# Altium PCB FIRE ARLARM_DEV.PcbDoc (part 2 of 2)
Units mm, origin at the board's own origin, x right, y up, seen from the top; angles counter-clockwise.
Board outline 100 x 100 mm, 2 copper layers (Top Layer, Bottom Layer); 111 components, 71 nets, 342 pads, 401 vias.
Unrouted connection lines stored in the file: 79.
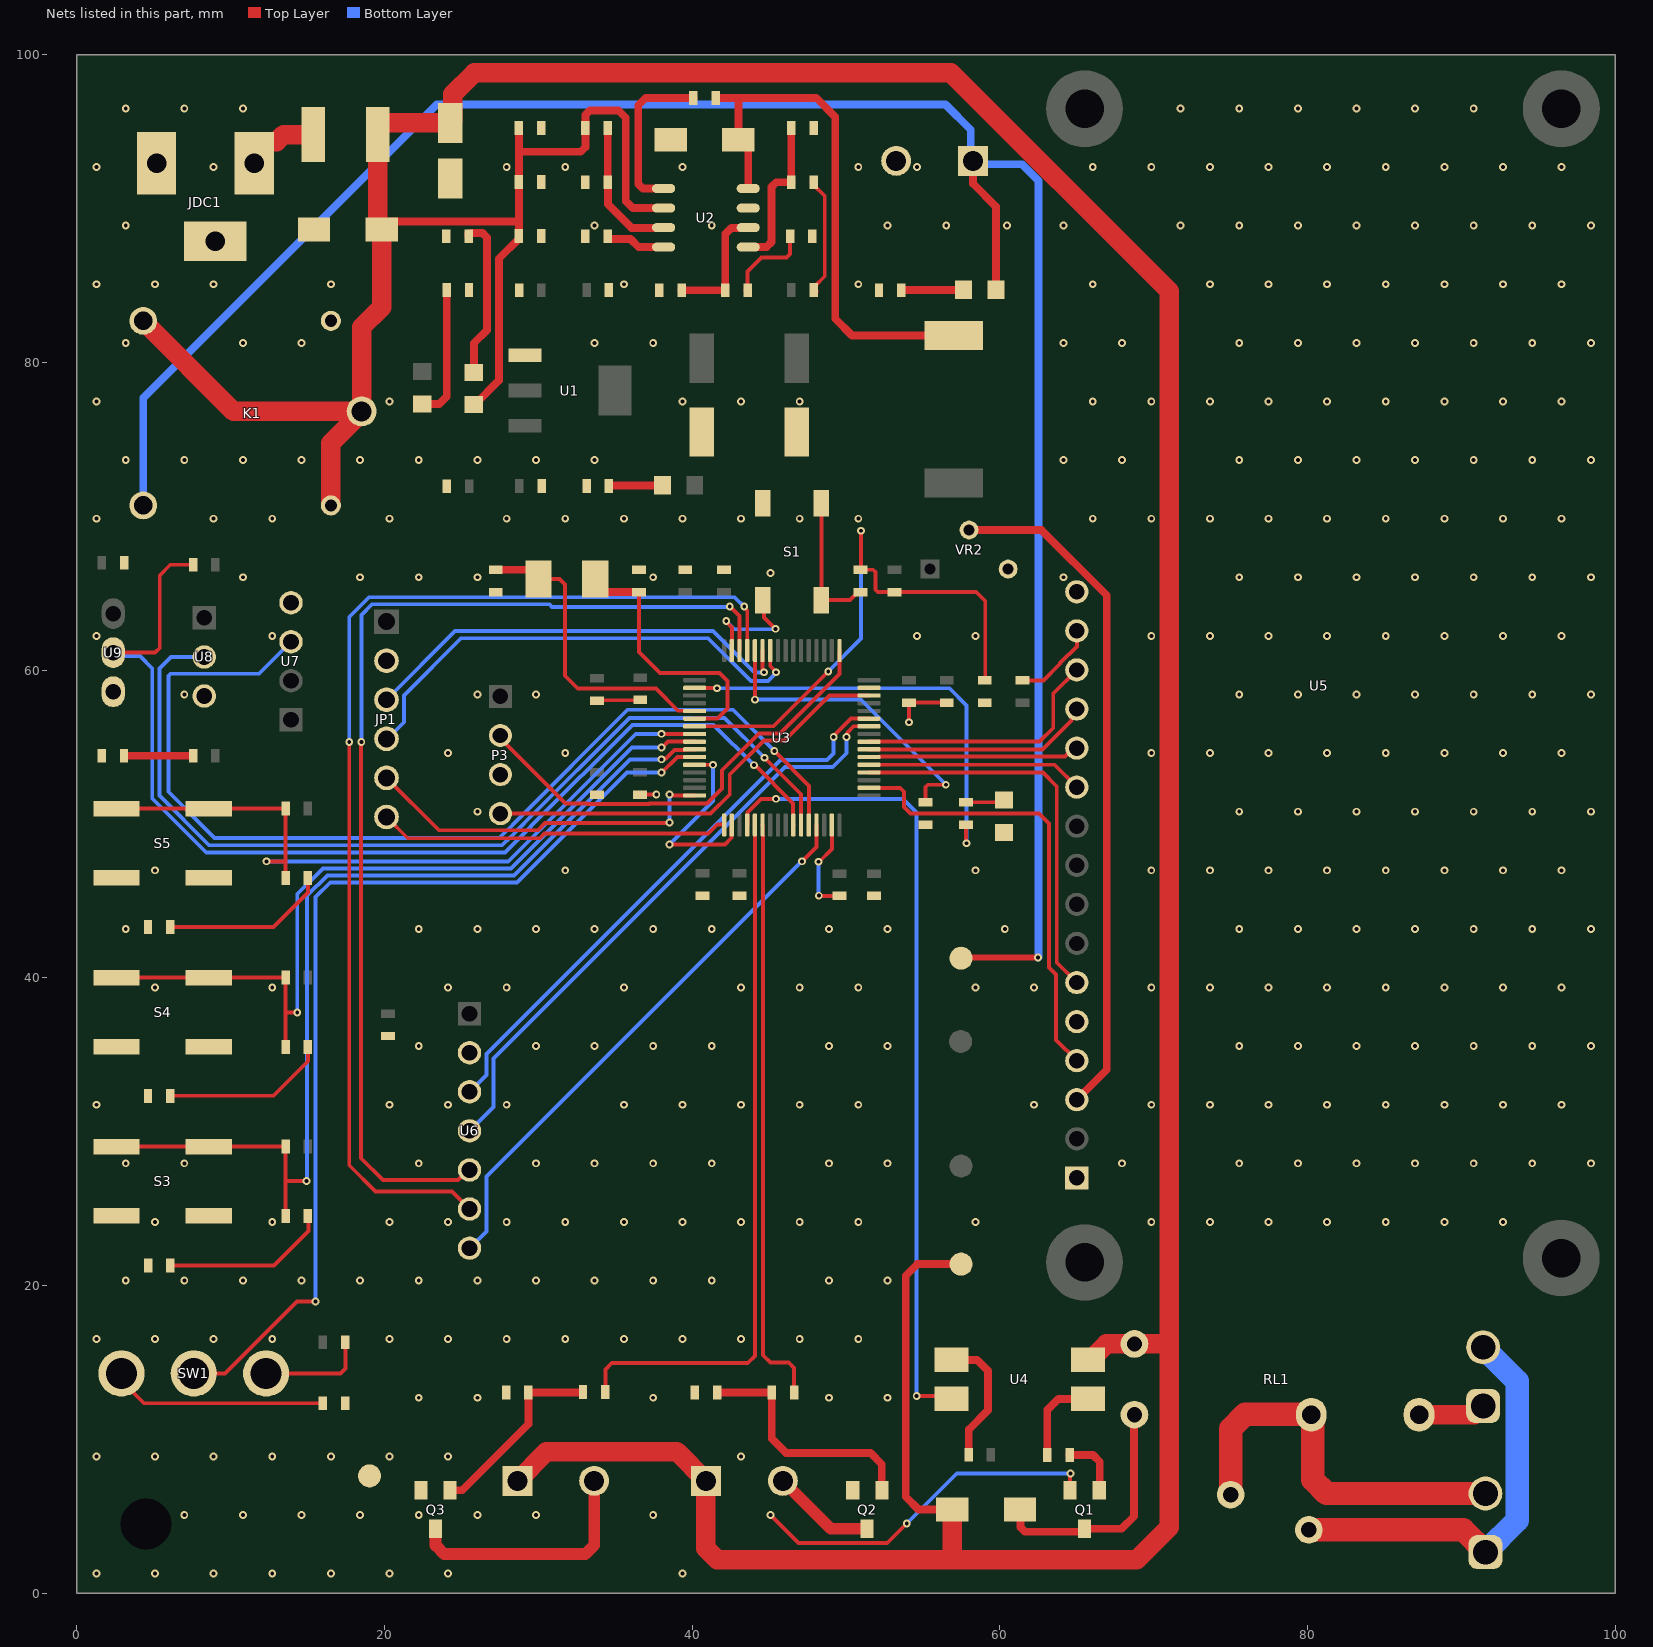
[diagram p2: the nets of this part, all layers, seen from the top]

## Via types
v1: diameter 0.508, hole 0.254, Top Layer to Bottom Layer, tented both sides, 344 vias
v2: diameter 0.508, hole 0.254, Top Layer to Bottom Layer, 57 vias

## Nets (pads, with @x,y where several pads share a name; then routed paths per layer and width w, separated by ;. In a path a pad name is that pad's centre, name@x,y a point inside that pad or via, vN(x,y) a via of type N, cw(c..) or ccw(c..) an arc to the next point about the centre after c; other vN are vias at no path point) (continued)
+12V: C1.1 C9.2 C10.2 C11.2 D1.2 D4.1 D7.2 F1.1 J2.1 J3.1 K1.COIL1 K1.COM K1.NO R4.2 RL1.1 TP2.1 U2.2 U4.4 | length 309.5
  Top Layer w0.508: D1.2@19.812,88.646 20.333,89.167 28.6,89.167 28.739,89.306 ; D4.1@25.806,77.258 25.856,77.258 27.435,78.837 27.435,86.744 28.739,88.048 C11.2@28.739,88.223 28.739,89.306 ; C9.2@28.739,95.25 28.739,93.701 ; U2.2@38.144,90.043 36.144,90.043 35.687,90.5 35.687,95.91 35.204,96.393 33.355,96.393 33.057,96.095 R4.2@33.057,95.25 33.057,93.998 32.759,93.701 28.739,93.701 ; D7.2@56.909,5.436 54.712,5.436 53.883,6.264 53.883,20.634 54.635,21.387 TP2.1@57.48,21.387 ; 28.739,89.306 C10.2@28.739,91.733 28.739,93.701
  Top Layer w1.27: K1.NO@4.314,82.708 10.194,76.828 K1.COM@18.514,76.828 ; K1.COIL1@16.514,70.708 16.514,74.755 18.514,76.755 K1.COM@18.514,76.828 ; J3.1@28.63,7.301 30.524,9.195 39,9.195 J2.1@40.894,7.301 40.894,2.903 41.638,2.159 56.617,2.159 ; D7.2@56.909,5.436 56.909,2.452 56.617,2.159 ; U4.4@65.722,15.164 66.022,15.164 66.188,15.329 66.188,15.454 66.931,16.198 RL1.1@68.753,16.198 ; RL1.1@68.613,16.198 71.018,16.198 ; K1.COM@18.514,76.828 18.514,82.293 19.812,83.591 D1.2@19.812,88.646 19.698,88.646 19.558,88.786 F1.1@19.558,94.818 19.558,95.45 19.685,95.577 C1.1@24.282,95.577 24.447,95.742 24.447,97.447 25.832,98.831 56.82,98.831 71.018,84.633 71.018,16.198 ; 56.617,2.159 68.885,2.159 71.018,4.293 71.018,16.198
AC1: P2.2 RL1.3 VR1.2 | length 25.8
  Top Layer w1.524: VR1.2@75.006,6.401 75.006,10.693 75.946,11.633 80.218,11.633 80.344,11.507 80.344,7.37 81.237,6.477 P2.2@91.571,6.477
AC2: P1.2 P2.1 VR1.1 | length 27.2
  Top Layer w1.524: VR1.1@80.086,4.115 90.123,4.115 P2.1@91.571,2.667
  Bottom Layer w1.524: P1.2@91.418,15.977 93.636,13.759 93.636,4.732 P2.1@91.571,2.667
GND: C1.2 C2.1 C3.1 C4.1 C5.1 C7.2 C8.2 C9.1 C10.1 C11.1 C13.1 C14.1 C15.1 C16.1 C17.1 C19.2 C20.1 C21.1 C22.1 C23.1 C24.1 C25.2 C26.1 C27.1 C28.1 C29.1 C30.1 C31.1 C32.2 C33.2 C34.1 C35.1 D1.1 D2.1 D8.2 J1.2 JDC1.2 JDC1.3 JP1.2 K1.COIL2 P3.3 Q1.1 Q2.1 Q3.1 R2.1 R3.1 R6.1 R7.1 R8.1 R9.1 R10.1 R14.2 R17.1 R18.1 R21.2 R27.2 S1.1 S1.2 S3.3 S3.4 S4.3 S4.4 S5.3 S5.4 TP5.1 U1.1 U2.7 U3.12 U3.18 U3.31 U3.47 U3.63 U5.1 U5.5 U5.16 U6.2 U7.4 U8.3 U9.3 VR2.3 | length 58.1
  Top Layer w0.254: C20.1@33.807,58.025 33.827,58.045 36.607,58.045 C21.1@36.627,58.064 ; C31.1@36.601,51.902 36.609,51.91 37.66,51.91 v2(37.668,51.918) ; v2(38.532,48.666) 42.123,48.666 42.564,49.108 42.564,49.919 U3.18@42.577,49.932 ; U3.12@40.157,53.852 41.347,53.852 v2(41.351,53.848) ; v2(42.215,63.195) 42.215,63.126 42.577,62.764 U3.63@42.577,61.272 ; S1.1@44.227,64.177 S1.1@44.6,64.55 44.679,64.471 44.679,63.424 v2(45.415,62.687) ; v1(45.085,5.08) 46.91,3.255 52.684,3.255 v2(53.95,4.521) ; v2(48.209,47.549) 48.26,47.549 49.077,48.366 U3.31@49.077,49.932 ; v2(48.234,45.341) 48.25,45.325 C24.1@49.577,45.325 C24.1@49.558,45.345 ; v2(54.102,56.617) 54.102,57.87 C22.1@54.085,57.887 C23.1@56.551,57.887 ; Q1.1@64.573,6.68 64.573,7.753 v2(64.592,7.772)
  Bottom Layer w0.254: v2(38.532,48.666) 41.351,51.486 v2(41.351,53.848) ; v2(42.215,63.195) 42.748,62.662 45.39,62.662 v2(45.415,62.687) ; v2(48.209,47.549) 48.222,47.536 48.222,45.353 v2(48.234,45.341) ; v2(53.95,4.521) 57.201,7.772 v2(64.592,7.772)
  other v1: 1.27,1.27 5.08,1.27 8.89,1.27 12.7,1.27 16.51,1.27 20.32,1.27 24.13,1.27 39.37,1.27 6.985,5.08 10.795,5.08 14.605,5.08 18.415,5.08 22.225,5.08 26.035,5.08 29.845,5.08 37.465,5.08 1.27,8.89 5.08,8.89 8.89,8.89 12.7,8.89 16.51,8.89 20.32,8.89 24.13,8.89 43.18,8.89 22.225,12.7 26.035,12.7 37.465,12.7 48.895,12.7 52.705,12.7 1.27,16.51 5.08,16.51 8.89,16.51 12.7,16.51 20.32,16.51 24.13,16.51 27.94,16.51 31.75,16.51 35.56,16.51 39.37,16.51 43.18,16.51 46.99,16.51 50.8,16.51 3.175,20.32 6.985,20.32 10.795,20.32 14.605,20.32 18.415,20.32 22.225,20.32 26.035,20.32 29.845,20.32 33.655,20.32 37.465,20.32 41.275,20.32 48.895,20.32 52.705,20.32 5.08,24.13 12.7,24.13 20.32,24.13 24.13,24.13 27.94,24.13 31.75,24.13 35.56,24.13 39.37,24.13 43.18,24.13 46.99,24.13 50.8,24.13 58.42,24.13 69.85,24.13 73.66,24.13 77.47,24.13 81.28,24.13 85.09,24.13 88.9,24.13 92.71,24.13 3.175,27.94 6.985,27.94 22.225,27.94 29.845,27.94 33.655,27.94 37.465,27.94 41.275,27.94 48.895,27.94 52.705,27.94 67.945,27.94 75.565,27.94 79.375,27.94 83.185,27.94 86.995,27.94 90.805,27.94 94.615,27.94 98.425,27.94 1.27,31.75 20.32,31.75 24.13,31.75 27.94,31.75 35.56,31.75 39.37,31.75 43.18,31.75 46.99,31.75 50.8,31.75 62.23,31.75 69.85,31.75 73.66,31.75 77.47,31.75 81.28,31.75 85.09,31.75 88.9,31.75 92.71,31.75 96.52,31.75 22.225,35.56 29.845,35.56 33.655,35.56 37.465,35.56 41.275,35.56 48.895,35.56 52.705,35.56 75.565,35.56 79.375,35.56 83.185,35.56 86.995,35.56 90.805,35.56 94.615,35.56 98.425,35.56 5.08,39.37 12.7,39.37 24.13,39.37 27.94,39.37 35.56,39.37 43.18,39.37 46.99,39.37 50.8,39.37 58.42,39.37 62.23,39.37 69.85,39.37 73.66,39.37 77.47,39.37 81.28,39.37 85.09,39.37 88.9,39.37 92.71,39.37 96.52,39.37 3.175,43.18 22.225,43.18 26.035,43.18 29.845,43.18 33.655,43.18 37.465,43.18 41.275,43.18 48.895,43.18 52.705,43.18 60.325,43.18 75.565,43.18 79.375,43.18 83.185,43.18 86.995,43.18 90.805,43.18 94.615,43.18 98.425,43.18 5.08,46.99 31.75,46.99 58.42,46.99 69.85,46.99 73.66,46.99 77.47,46.99 81.28,46.99 85.09,46.99 88.9,46.99 92.71,46.99 96.52,46.99 26.035,50.8 75.565,50.8 79.375,50.8 83.185,50.8 86.995,50.8 90.805,50.8 94.615,50.8 98.425,50.8 24.13,54.61 31.75,54.61 69.85,54.61 73.66,54.61 77.47,54.61 81.28,54.61 85.09,54.61 88.9,54.61 92.71,54.61 96.52,54.61 6.985,58.42 26.035,58.42 29.845,58.42 75.565,58.42 79.375,58.42 83.185,58.42 86.995,58.42 90.805,58.42 94.615,58.42 98.425,58.42 1.27,62.23 12.7,62.23 54.61,62.23 58.42,62.23 69.85,62.23 73.66,62.23 77.47,62.23 81.28,62.23 85.09,62.23 88.9,62.23 92.71,62.23 96.52,62.23 10.795,66.04 18.415,66.04 22.225,66.04 26.035,66.04 37.465,66.04 64.135,66.04 75.565,66.04 79.375,66.04 83.185,66.04 86.995,66.04 90.805,66.04 94.615,66.04 98.425,66.04 45.085,66.314 1.27,69.85 8.89,69.85 12.7,69.85 20.32,69.85 27.94,69.85 31.75,69.85 35.56,69.85 39.37,69.85 43.18,69.85 46.99,69.85 50.8,69.85 66.04,69.85 69.85,69.85 73.66,69.85 77.47,69.85 81.28,69.85 85.09,69.85 88.9,69.85 92.71,69.85 96.52,69.85 3.175,73.66 6.985,73.66 10.795,73.66 14.605,73.66 18.415,73.66 22.225,73.66 26.035,73.66 29.845,73.66 33.655,73.66 64.135,73.66 67.945,73.66 75.565,73.66 79.375,73.66 83.185,73.66 86.995,73.66 90.805,73.66 94.615,73.66 98.425,73.66 1.27,77.47 20.32,77.47 39.37,77.47 43.18,77.47 46.99,77.47 66.04,77.47 69.85,77.47 73.66,77.47 77.47,77.47 81.28,77.47 85.09,77.47 88.9,77.47 92.71,77.47 96.52,77.47 3.175,81.28 10.795,81.28 14.605,81.28 33.655,81.28 37.465,81.28 64.135,81.28 67.945,81.28 75.565,81.28 79.375,81.28 83.185,81.28 86.995,81.28 90.805,81.28 94.615,81.28 98.425,81.28 1.27,85.09 5.08,85.09 8.89,85.09 16.51,85.09 35.56,85.09 50.8,85.09 66.04,85.09 73.66,85.09 77.47,85.09 81.28,85.09 85.09,85.09 88.9,85.09 92.71,85.09 96.52,85.09 3.175,88.9 33.655,88.9 41.275,88.9 52.705,88.9 56.515,88.9 60.461,88.9 64.135,88.9 71.755,88.9 75.565,88.9 79.375,88.9 83.185,88.9 86.995,88.9 90.805,88.9 94.615,88.9 98.425,88.9 1.27,92.71 8.89,92.71 27.94,92.71 31.75,92.71 39.37,92.71 50.8,92.71 54.61,92.71 66.04,92.71 69.85,92.71 73.66,92.71 77.47,92.71 81.28,92.71 85.09,92.71 88.9,92.71 92.71,92.71 96.52,92.71 3.175,96.52 6.985,96.52 10.795,96.52 71.755,96.52 75.565,96.52 79.375,96.52 83.185,96.52 86.995,96.52 90.805,96.52
NetC6_1: C6.1 U2.1 | length 10.7
  Top Layer w0.508: U2.1@38.144,91.313 36.797,91.313 36.5,91.611 36.5,96.723 36.982,97.206 C6.1@40.079,97.206
NetC6_2: C6.2 D2.2 L1.1 U2.8 | length 35.8
  Top Layer w0.508: C6.2@41.529,97.206 42.85,97.206 ; U2.8@43.644,91.313 43.644,93.967 43.123,94.488 D2.2@43.002,94.488 43.002,97.053 42.85,97.206 ; L1.1@57,81.761 50.395,81.761 49.301,82.855 49.301,95.961 48.057,97.206 42.85,97.206
NetC12_1: C12.1 C13.2 U2.6 | length 8.2
  Top Layer w0.508: C13.2@39.308,84.695 C12.1@42.153,84.695 42.153,88.356 42.553,88.755 43.626,88.755 U2.6@43.644,88.773
NetC12_2: C12.2 R7.2 | length 5.6
  Top Layer w0.254: C12.2@43.603,84.695 43.603,85.919 44.501,86.817 46.126,86.817 46.367,87.057 R7.2@46.367,88.214
  Top Layer w0.508: C12.2@43.603,84.695 C12.2@43.61,84.702
NetC14_2: C14.2 U2.4 | length 4
  Top Layer w0.508: C14.2@34.512,88.208 34.512,88.057 34.533,88.036 35.992,88.036 36.525,87.503 U2.4@38.144,87.503
NetC15_2: C15.2 U3.5 Y1.1 | length 20.2
  Top Layer w0.254: Y1.1@30.002,65.938 31.369,65.938 31.725,65.583 31.725,59.639 32.563,58.801 37.643,58.801 39.079,57.365 40.144,57.365 U3.5@40.157,57.352
  Top Layer w0.508: C15.2@27.229,66.528 29.412,66.528 Y1.1@30.002,65.938
NetC16_2: C16.2 U3.6 Y1.2 | length 18
  Top Layer w0.254: C16.2@36.551,65.073 36.551,61.189 37.917,59.822 41.778,59.822 42.291,59.309 42.291,57.506 41.637,56.852 U3.6@40.157,56.852
  Top Layer w0.508: Y1.2@33.702,65.938 33.702,65.669 34.298,65.073 C16.2@36.551,65.073
NetC17_2: C17.2 R13.1 R32.2 U3.7 | length 37.7
  Top Layer w0.254: U3.7@40.157,56.352 45.277,56.352 v2(48.844,59.919) ; v2(50.978,69.063) 50.978,66.553 R32.2@50.952,66.528 51.769,66.528 51.918,66.379 51.918,65.227 52.066,65.078 R13.1@53.162,65.078 58.468,65.078 59.055,64.491 59.055,59.374 C17.2@59.182,59.501
  Bottom Layer w0.254: v2(48.844,59.919) 50.978,62.052 v2(50.978,69.063)
NetC19_1: C19.1 R29.2 | length 10.8
  Top Layer w0.254: C19.1@6.098,21.285 12.802,21.285 15.044,23.528 R29.2@15.044,24.474
NetC32_1: C32.1 R30.2 | length 10.8
  Top Layer w0.254: C32.1@6.073,32.334 12.776,32.334 15.019,34.577 R30.2@15.019,35.523
NetC33_1: C33.1 R31.2 | length 10.8
  Top Layer w0.254: C33.1@6.073,43.307 12.776,43.307 15.019,45.55 R31.2@15.019,46.496
NetD3_2: D3.2 R8.2 | length 8.7
  Top Layer w0.508: D3.2@22.454,77.309 23.563,77.309 24.04,77.786 R8.2@24.04,84.709
NetD4_2: D4.2 R6.2 | length 10.6
  Top Layer w0.508: R6.2@25.465,88.214 25.465,88.389 25.486,88.41 25.661,88.41 25.668,88.417 26.372,88.417 26.67,88.12 26.67,82.118 25.806,81.255 D4.2@25.806,79.358
NetD5_2: D5.2 R2.2 | length 3.5
  Top Layer w0.508: R2.2@34.583,71.972 34.583,71.982 34.604,72.003 38.035,72.003 D5.2@38.066,72.034
NetD6_2: D6.2 R3.2 | length 4.1
  Top Layer w0.508: R3.2@53.596,84.709 53.609,84.722 57.637,84.722 D6.2@57.649,84.734
NetD7_1: D7.1 Q1.2 RL1.2 | length 15.7
  Top Layer w0.508: D7.1@61.309,5.436 61.341,5.404 61.341,4.285 61.639,3.988 65.342,3.988 65.513,4.159 Q1.2@65.513,4.186 67.914,4.186 68.732,5.004 68.732,11.577 RL1.2@68.753,11.598
NetD8_1: D8.1 R20.1 | length 2.5
  Top Layer w0.254: R20.1@57.81,51.412 60.124,51.412 D8.1@60.272,51.559
NetF1_0: F1.0 JDC1.1 | length 5
  Top Layer w1.27: JDC1.1@11.532,92.964 11.532,93.726 12.167,94.361 12.979,94.361 13.434,94.815 15.354,94.815 F1.0@15.357,94.818
NetJ2_2: J2.2 Q2.2 | length 6.8
  Top Layer w0.762: J2.2@45.894,7.301 49.009,4.186 Q2.2@51.379,4.186
NetJ3_2: J3.2 Q3.2 | length 16.1
  Top Layer w0.762: Q3.2@23.317,4.186 23.317,3.099 23.876,2.54 33.049,2.54 33.63,3.121 J3.2@33.63,7.301
NetJP1_3: JP1.3 U3.59 | length 29
  Top Layer w0.254: JP1.3@20.126,58.075 JP1.3@20.157,58.044 ; U3.59@44.577,61.272 44.577,60.021 44.662,59.937 v2(44.662,59.868)
  Bottom Layer w0.254: JP1.3@20.126,58.075 24.586,62.535 41.351,62.535 44.046,59.84 44.634,59.84 v2(44.662,59.868)
NetJP1_4: JP1.4 U3.58 | length 32.1
  Top Layer w0.254: U3.58@45.077,61.272 45.077,60.278 45.392,59.964 45.392,59.828 v2@45.441,59.78
  Bottom Layer w0.254: JP1.4@20.126,55.535 20.178,55.535 21.257,56.613 21.257,58.366 24.968,62.078 41.023,62.078 43.817,59.284 44.933,59.284 45.429,59.78 v2@45.441,59.78
  other v2: 45.441,59.868
NetJP1_5: JP1.5 U3.16 | length 23.5
  Top Layer w0.254: JP1.5@20.126,52.995 23.529,49.593 29.972,49.593 30.443,50.063 38.504,50.063 v2(38.532,50.091) ; v2(38.532,51.918) 38.601,51.918 38.666,51.852 U3.16@40.157,51.852
  Bottom Layer w0.254: v2(38.532,50.091) v2(38.532,51.918)
NetJP1_6: JP1.6 U3.17 | length 22.9
  Top Layer w0.254: JP1.6@20.126,50.455 21.509,49.073 30.099,49.073 30.404,49.378 41.046,49.378 41.631,49.962 42.064,49.962 42.077,49.949 U3.17@42.077,49.932
NetP1_1: P1.1 RL1.4 | length 4.4
  Top Layer w1.27: RL1.4@87.253,11.598 90.849,11.598 P1.1@91.418,12.167
NetP3_2: P3.2 U3.49 | length 29.7
  Top Layer w0.254: P3.2@27.534,55.753 27.534,55.567 31.767,51.333 33.184,51.333 33.221,51.297 37.188,51.297 37.225,51.333 40.97,51.333 41.935,52.299 41.935,53.492 44.338,55.895 45.709,55.895 49.577,59.763 U3.49@49.577,61.272
NetP3_4: P3.4 U3.46 | length 27.9
  Top Layer w0.254: P3.4@27.534,50.673 34.679,50.673 34.681,50.675 41.201,50.675 42.443,51.918 42.443,53.213 44.668,55.437 46.014,55.437 48.928,58.352 U3.46@51.497,58.352
NetQ1_3: Q1.3 R12.2 | length 4
  Top Layer w0.508: R12.2@64.538,8.977 66.054,8.977 66.497,8.534 66.497,6.72 Q1.3@66.463,6.686
NetQ2_3: Q2.3 R15.1 R17.2 | length 16.1
  Top Layer w0.508: R17.2@41.622,13.051 R15.1@45.172,13.051 45.172,10.048 46.101,9.119 51.587,9.119 52.329,8.377 Q2.3@52.329,6.686
NetQ3_3: Q3.3 R16.2 R18.2 | length 12.5
  Top Layer w0.508: Q3.3@24.267,6.686 25.05,6.686 29.351,10.987 R18.2@29.351,13.051 32.888,13.051 R16.2@32.902,13.065
NetR1_1: R1.1 R5.2 | length 7.5
  Top Layer w0.254: R5.2@47.898,91.547 48.616,90.83 48.616,85.607 47.944,84.935 R1.1@47.944,84.607
  Top Layer w0.508: R5.2@47.895,91.719 R5.2@47.898,91.722 ; R1.1@47.944,84.607 R1.1@47.946,84.61
NetR4_1: R4.1 R9.2 U2.3 | length 9.2
  Top Layer w0.508: R4.1@34.507,95.25 34.51,95.247 34.51,91.725 34.526,91.708 34.526,90.289 36.06,88.755 38.126,88.755 U2.3@38.144,88.773
NetR5_1: R5.1 R10.2 U2.5 | length 10.2
  Top Layer w0.508: U2.5@43.644,87.503 43.662,87.521 44.849,87.521 45.161,87.833 45.161,91.415 45.469,91.722 R5.1@46.448,91.722 46.446,91.725 46.446,95.247 R10.2@46.443,95.25
NetR11_2: R11.2 U4.1 | length 8.7
  Top Layer w0.508: U4.1@56.858,15.164 58.522,15.164 59.233,14.453 59.233,11.887 57.974,10.629 R11.2@57.974,8.992
NetR12_1: R12.1 U4.3 | length 5.9
  Top Layer w0.508: R12.1@63.088,8.977 63.088,11.907 63.805,12.624 U4.3@65.722,12.624
NetR14_1: R14.1 U3.60 | length 20.3
  Top Layer w0.254: v2(44.077,58.081) U3.60@44.077,61.272 ; R14.1@55.169,51.402 55.169,52.404 55.318,52.553 v2(56.49,52.553)
  Bottom Layer w0.254: v2(44.077,58.081) 50.961,58.081 v2(56.49,52.553)
NetR15_2: R15.2 U3.22 | length 38.6
  Top Layer w0.254: U3.22@44.577,49.932 44.59,49.919 44.59,49.254 44.607,49.238 44.607,15.464 45.085,14.986 46.279,14.986 46.622,14.643 R15.2@46.622,13.051 R15.2@46.474,13.199
NetR16_1: R16.1 U3.21 | length 46.1
  Top Layer w0.254: R16.1@34.352,13.065 34.352,14.54 34.773,14.961 43.612,14.961 44.077,15.426 U3.21@44.077,49.932
NetR19_1: R19.1 SW1.1 | length 7
  Top Layer w0.254: SW1.1@12.302,14.28 17.125,14.28 17.45,14.605 17.45,16.295 R19.1@17.438,16.307
NetR20_2: R20.2 U3.2 | length 28.3
  Top Layer w0.254: U3.2@40.157,58.852 40.17,58.839 41.593,58.839 v2(41.605,58.826) ; R20.2@57.81,49.952 57.81,48.771 v2(57.832,48.749)
  Bottom Layer w0.254: v2(41.605,58.826) 56.718,58.826 57.832,57.712 v2(57.832,48.749)
NetR21_1: R21.1 SW1.3 | length 14.2
  Top Layer w0.254: SW1.3@2.902,14.28 2.902,13.812 4.369,12.344 R21.1@15.988,12.344
NetR22_1: R22.1 U5.15 | length 5.5
  Top Layer w0.254: R22.1@61.468,59.331 62.836,59.331 63.922,60.417 63.922,60.464 65.007,61.548 U5.15@65.007,62.555
NetR23_2: R23.2 R30.1 S4.1 S4.2 U3.9 | length 53.9
  Top Layer w0.254: S4.1@2.576,40.015 S4.2@8.576,40.015 13.556,40.015 13.566,40.005 13.566,37.758 ; R30.1@13.569,35.508 13.566,35.51 13.566,37.758 ; v2(14.326,37.744) 14.312,37.758 13.566,37.758 ; v2(38,54.97) 38.052,54.97 38.433,55.352 U3.9@40.157,55.352
  Bottom Layer w0.254: v2(14.326,37.744) 14.326,45.441 16.002,47.117 28.234,47.117 36.087,54.97 v2(38,54.97)
NetR24_1: R24.1 U3.26 U9.2 | length 71.8
  Top Layer w0.254: U9.2@2.362,61.138 5.087,61.138 5.385,61.435 5.385,66.167 6.071,66.853 R24.1@7.558,66.853 ; v2(44.018,53.823) 44.082,53.823 46.564,51.341 46.564,49.945 U3.26@46.577,49.932
  Bottom Layer w0.254: U9.2@2.362,61.138 2.582,60.918 4.106,60.918 4.902,60.122 4.902,51.664 8.407,48.158 27.825,48.158 28.345,48.678 28.36,48.678 29.528,49.847 29.528,49.862 36.112,56.446 41.394,56.446 v2(44.018,53.823)
NetR25_2: R25.2 R31.1 S5.1 S5.2 U3.8 | length 48.2
  Top Layer w0.254: S5.1@2.576,51.003 S5.2@8.576,51.003 13.557,51.003 R25.2@13.564,51.01 13.566,51.008 13.566,47.549 ; v2(12.319,47.574) 13.541,47.574 13.566,47.549 ; R31.1@13.453,46.38 R31.1@13.569,46.496 13.566,46.499 13.566,47.549 ; v2@37.969,55.862 37.979,55.852 U3.8@40.157,55.852
  Bottom Layer w0.254: v2(12.319,47.574) 28.044,47.574 36.332,55.862 v2@37.969,55.862
  other v2: 38,55.862
NetR26_2: R26.2 R27.1 | length 4.5
  Top Layer w0.508: R27.1@3.062,54.432 R26.2@7.555,54.432
NetR28_2: R28.2 R29.1 S3.1 S3.2 U3.10 | length 64.6
  Top Layer w0.254: S3.1@2.576,29.027 S3.2@8.576,29.027 13.556,29.027 R28.2@13.564,29.034 13.566,29.031 13.566,26.78 ; R29.1@13.569,24.527 13.566,24.529 13.566,26.78 ; v2(14.935,26.797) 14.918,26.78 13.566,26.78 ; v2(38,54.204) 38.049,54.252 38.289,54.252 38.859,54.822 39.463,54.822 39.48,54.839 40.144,54.839 U3.10@40.157,54.852
  Bottom Layer w0.254: v2(14.935,26.797) 14.961,26.822 14.961,45.339 16.281,46.66 28.423,46.66 35.967,54.204 v2@37.998,54.204
NetR32_1: R32.1 S1.3 S1.4 | length 9.1
  Top Layer w0.254: S1.4@48.4,70.85 S1.3@48.4,64.55 50.249,64.55 50.777,65.078 R32.1@50.952,65.078
NetSW1_2: SW1.2 U3.11 | length 64.6
  Top Layer w0.254: SW1.2@7.602,14.28 9.64,14.28 14.308,18.948 v2(15.519,18.948) ; v2@38.024,53.34 39.036,54.352 U3.11@40.157,54.352
  Bottom Layer w0.254: v2(15.519,18.948) 15.519,45.251 16.471,46.203 28.612,46.203 35.75,53.34 v2@38.024,53.34
  other v2: 38,53.34
NetU3_20: U3.20 U4.2 | length 52.8
  Top Layer w0.254: U3.20@43.577,49.932 43.59,49.945 43.59,50.756 44.473,51.638 v2(45.441,51.638) ; v2(54.594,12.816) 56.666,12.816 U4.2@56.858,12.624
  Bottom Layer w0.254: v2(45.441,51.638) 53.696,51.638 54.594,50.74 v2(54.594,12.816)
NetU3_27: U3.27 U8.2 | length 62
  Top Layer w0.254: v2(44.704,54.305) 47.077,51.932 U3.27@47.077,49.932
  Bottom Layer w0.254: U8.2@8.28,60.858 6.121,60.858 5.359,60.096 5.359,51.853 8.597,48.616 27.635,48.616 28.155,49.136 28.17,49.136 29.071,50.036 29.071,50.051 35.923,56.904 42.106,56.904 v2(44.704,54.305)
NetU3_28: U3.28 U7.3 | length 67.4
  Top Layer w0.254: v2(45.339,54.737) 47.607,52.469 47.607,50.626 47.59,50.609 47.59,49.945 U3.28@47.577,49.932
  Bottom Layer w0.254: U7.3@13.919,61.849 11.838,59.768 6.092,59.768 5.944,59.619 5.944,52.095 8.941,49.098 27.457,49.098 27.952,49.593 27.981,49.593 28.614,50.226 28.614,50.241 35.802,57.429 42.647,57.429 v2(45.339,54.737)
NetU3_29: U3.29 U6.7 | length 36.9
  Top Layer w0.254: v2(47.142,47.574) 48.08,48.512 48.08,49.929 U3.29@48.077,49.932
  Bottom Layer w0.254: U6.7@25.527,22.428 26.617,23.518 26.617,27.074 47.117,47.574 v2(47.142,47.574)
NetU3_34: U3.34 U5.4 | length 29.4
  Top Layer w0.254: U3.34@51.497,52.352 51.51,52.339 53.528,52.339 53.772,52.095 53.772,51.105 54.197,50.679 62.554,50.679 63.195,50.038 63.195,40.665 63.652,40.208 63.652,35.969 U5.4@65.007,34.615
NetU3_36: U3.36 U5.6 | length 25.9
  Top Layer w0.254: U3.36@51.497,53.352 62.802,53.352 63.703,52.451 63.703,40.998 U5.6@65.007,39.695
NetU3_37: U3.37 U5.11 | length 14.1
  Top Layer w0.254: U3.37@51.497,53.852 63.549,53.852 U5.11@65.007,52.395
NetU3_38: U3.38 U5.12 | length 13.8
  Top Layer w0.254: U3.38@51.497,54.352 51.51,54.365 52.175,54.365 52.192,54.382 64.231,54.382 64.784,54.935 U5.12@65.007,54.935
NetU3_39: U3.39 U5.13 | length 14.8
  Top Layer w0.254: U3.39@51.497,54.852 62.777,54.852 64.654,56.73 64.654,56.783 65.007,57.135 U5.13@65.007,57.475
NetU3_40: U3.40 U5.14 | length 16.8
  Top Layer w0.254: U3.40@51.497,55.352 62.591,55.352 63.475,56.236 63.475,58.483 U5.14@65.007,60.015
NetU3_42: U3.42 U6.4 | length 39.5
  Top Layer w0.254: v2(50.038,55.651) 50.087,55.7 50.087,55.96 50.478,56.352 U3.42@51.497,56.352
  Bottom Layer w0.254: U6.4@25.527,30.048 27.074,31.596 27.074,34.745 46.025,53.696 49.137,53.696 50.038,54.597 v2(50.038,55.651)
NetU3_43: U3.43 U6.3 | length 37.5
  Top Layer w0.254: U6.3@25.527,32.588 U6.3@25.552,32.614 ; v2(49.2,55.651) 49.2,55.72 50.331,56.852 U3.43@51.497,56.852
  Bottom Layer w0.254: U6.3@25.527,32.588 26.617,33.678 26.617,35.037 45.733,54.153 48.768,54.153 49.2,54.585 v2(49.2,55.651)
NetU3_61: U3.61 U6.6 | length 74.1
  Top Layer w0.254: v2@17.704,55.397 17.704,27.813 19.406,26.111 24.384,26.111 U6.6@25.527,24.968 ; v2(43.383,64.135) 43.383,64.066 43.577,63.872 U3.61@43.577,61.272
  Bottom Layer w0.254: v2(17.704,55.321) 17.704,63.446 19,64.743 42.763,64.743 43.37,64.135 v2(43.383,64.135)
NetU3_62: U3.62 U6.5 | length 70.7
  Top Layer w0.254: v2@18.491,55.372 18.466,55.347 18.466,28.27 19.888,26.848 24.784,26.848 25.445,27.508 U6.5@25.527,27.508 ; v2(42.443,64.135) 42.469,64.135 43.077,63.526 U3.62@43.077,61.272
  Bottom Layer w0.254: v2@18.491,55.372 18.491,63.587 19.19,64.285 30.72,64.285 30.895,64.11 42.418,64.11 v2(42.443,64.135)
  other v2: 18.491,55.321
NetU5_3: U5.3 VR2.2 | length 44.3
  Top Layer w0.508: VR2.2@58,69.113 62.701,69.113 66.95,64.864 66.95,34.018 U5.3@65.007,32.075
VBAT: D6.1 J1.1 K1.NC TP3.1 | length 140.8
  Top Layer w0.381: TP3.1@57.531,41.326 v2(62.484,41.326)
  Top Layer w0.508: TP3.1@57.48,41.275 TP3.1@57.531,41.326 ; TP3.1@57.785,41.275 TP3.1@57.801,41.259 ; J1.1@58.264,93.116 58.264,91.622 59.749,90.136 D6.1@59.749,84.734
  Bottom Layer w0.508: K1.NC@4.314,70.708 4.314,77.695 23.393,96.774 56.464,96.774 58.115,95.123 58.115,93.265 J1.1@58.264,93.116 58.492,92.888 61.443,92.888 62.509,91.821 62.509,41.351 v2(62.484,41.326)
pads on no net: U3.3 U3.4 U3.14 U3.15 U3.23 U3.24 U3.25 U3.30 U3.33 U3.35 U3.41 U3.44 U3.45 U3.50 U3.51 U3.52 U3.53 U3.54 U3.55 U3.56 U3.57 U5.7 U5.8 U5.9 U5.10 U5.S1 U5.S2 U5.S3 U5.S4 U7.2

## Polygon pours and split planes (outlines as drawn)
GND on Bottom Layer "NONET_L-01_P-001" (solid, remove dead copper, pour order 1): 0,100 100,100 100,20.244 53.483,20.244 53.563,0 0,0
GND on Top Layer "NONET_L-01_P-001" (solid, remove dead copper, pour order 0): 0,100 100,100 100,20.244 53.483,20.244 53.563,0 0,0

## Keep-outs
Keep-Out Layer:
  the board outline again, w0.254

## Other copper
Top Layer:
  pour cut-out: 40.843,60.579 50.825,60.579 50.825,50.597 50.8,50.622 40.843,50.622
Bottom Layer:
  pour cut-out: 40.843,60.604 50.825,60.604 50.825,50.622 40.843,50.622
Multi-Layer:
  pour cut-out: 51.841,81.712 62.281,81.712 62.281,72.034 51.791,72.034
  lines w0.254: 60.02,11.227 61.214,11.227 61.214,16.561 60.02,16.561 60.02,11.227 ; 82.906,10.287 84.506,10.287 84.506,17.424 82.906,17.424 82.906,10.287

## Silkscreen, mask and mechanical layers (free items; w line width, h text height)
Top Overlay:
  text "+" at 59.766,100.031 h3 r180
  text "-" at 52.248,99.866 h3 r180
  text "BAT" at 57.099,99.695 h2 r180
  text "12V-DC" at 3.632,98.01 h1.52
  text "12V_BAT" at 56.549,86.383 h1
  text "LED" at 60.727,84.379 h1
  text "12V" at 24.947,80.895 h1
  text "5V" at 21.869,80.859 h1
  text "LED" at 21.586,74.905 h1
  text "LED" at 24.862,74.905 h1
  text "MQ-2" at 12.903,66.446 h1
  text "DHT22" at 1.346,65.38 h0.7
  text "Flame Sensor" at 6.579,65.311 h0.7
  text "+" at 10.181,64.186 h2 r270
  text "+" at 3.984,64.084 h2 r270
  text "-" at 17.037,64.033 h3 r90
  text "3V" at 28.88,63.002 h0.9
  text "3V" at 21.91,62.721 h1.2
  text "SWCLK" at 28.88,62.096 h0.9
  text "OUT" at 10.425,62.001 h1 r270
  text "OUT" at 4.227,61.9 h1 r270
  text "GND" at 28.88,61.19 h0.9
  text "OUT" at 16.702,61.138 h1 r90
  text "GND" at 21.91,60.308 h1.2
  text "SWIDO" at 28.88,60.284 h0.9
  text "-" at 10.218,58.877 h3 r270
  text "-" at 4.02,58.776 h3 r270
  text "NC" at 16.677,58.623 h1 r90
  text "SDA" at 21.91,57.691 h1.2
  text "+" at 17.149,56.515 h2 r90
  text "LCD 16X2" at 76.683,55.357 h6
  text "SCL" at 21.91,55.228 h1.2
  text "PC13" at 59.207,53.046 h1
  text "TXD2" at 21.91,52.573 h1.2
  text "PUMP" at 10.532,50.521 h1.5 r270
  text "RXD1" at 21.91,50.261 h1.2
  text "LED" at 59.512,47.371 h1
  text "12V_BAT" at 55.753,42.799 h1
  text "BUZZER" at 10.532,40.361 h1.5 r270
  text "5V" at 56.972,37.374 h1
  text "MODULE SIM" at 31.877,32.68 h4
  text "TEST POINT" at 54.331,31.716 h1.5
  text "5V" at 56.977,29.283 h1
  text "A7682S" at 35.103,28.812 h3
  text "LIGHT" at 10.532,28.661 h1.5 r270
  text "5V" at 57.048,23.023 h1
  text "AUTO" at 9.22,18.254 h1.5
  text "HAND" at 1.143,18.237 h1.5
  text "-----" at 5.105,18.233 h2
  text ">" at 8.23,18.092 h2
  text "AUTO" at 10.527,16.983 h1 r270
  text "GND" at 17.983,9.104 h1
  text "220~AC" at 83.031,3.832 h2
  text "c" at 8.585,1.581 h8
  text "OUT" at 21.336,0.708 h2
  text "12V" at 29.972,0.61 h2
  text "12V" at 42.443,0.584 h2
  text "-" at 34.493,0.464 h3
  text "-" at 46.431,0.464 h3
  text "+" at 39.903,0.324 h3
  text "+" at 26.975,0.299 h3
Bottom Overlay:
  text "Designed by:  Le Viet Trong" at 97.257,90.022 h3
  text "Supervisor:  Th.S Bui Quoc Bao" at 97.307,86.182 h3
  text "Department of Electronics Engineering - HCMUT" at 97.053,81.844 h3
  text "a" at 78.207,2.811 h15
  text "b" at 73.427,0.837 h40

## Text inside footprints (layer, text, board x,y; h text height)
C1: Top Overlay "+" at 24.782,97.177 h0.6 r90
C7: Top Overlay "+" at 43.155,81.407 h1.22 r90
C8: Top Overlay "+" at 49.352,81.331 h1.22 r90